# Altium PCB 电解水杯拼版6in1.PcbDoc (part 9 of 9)
Units mm, origin at the board's own origin, x right, y up, seen from the top; angles counter-clockwise.
Board outline 210 x 138 mm, 2 copper layers (Top Layer, Bottom Layer); 750 components, 0 nets, 2092 pads, 2070 vias.
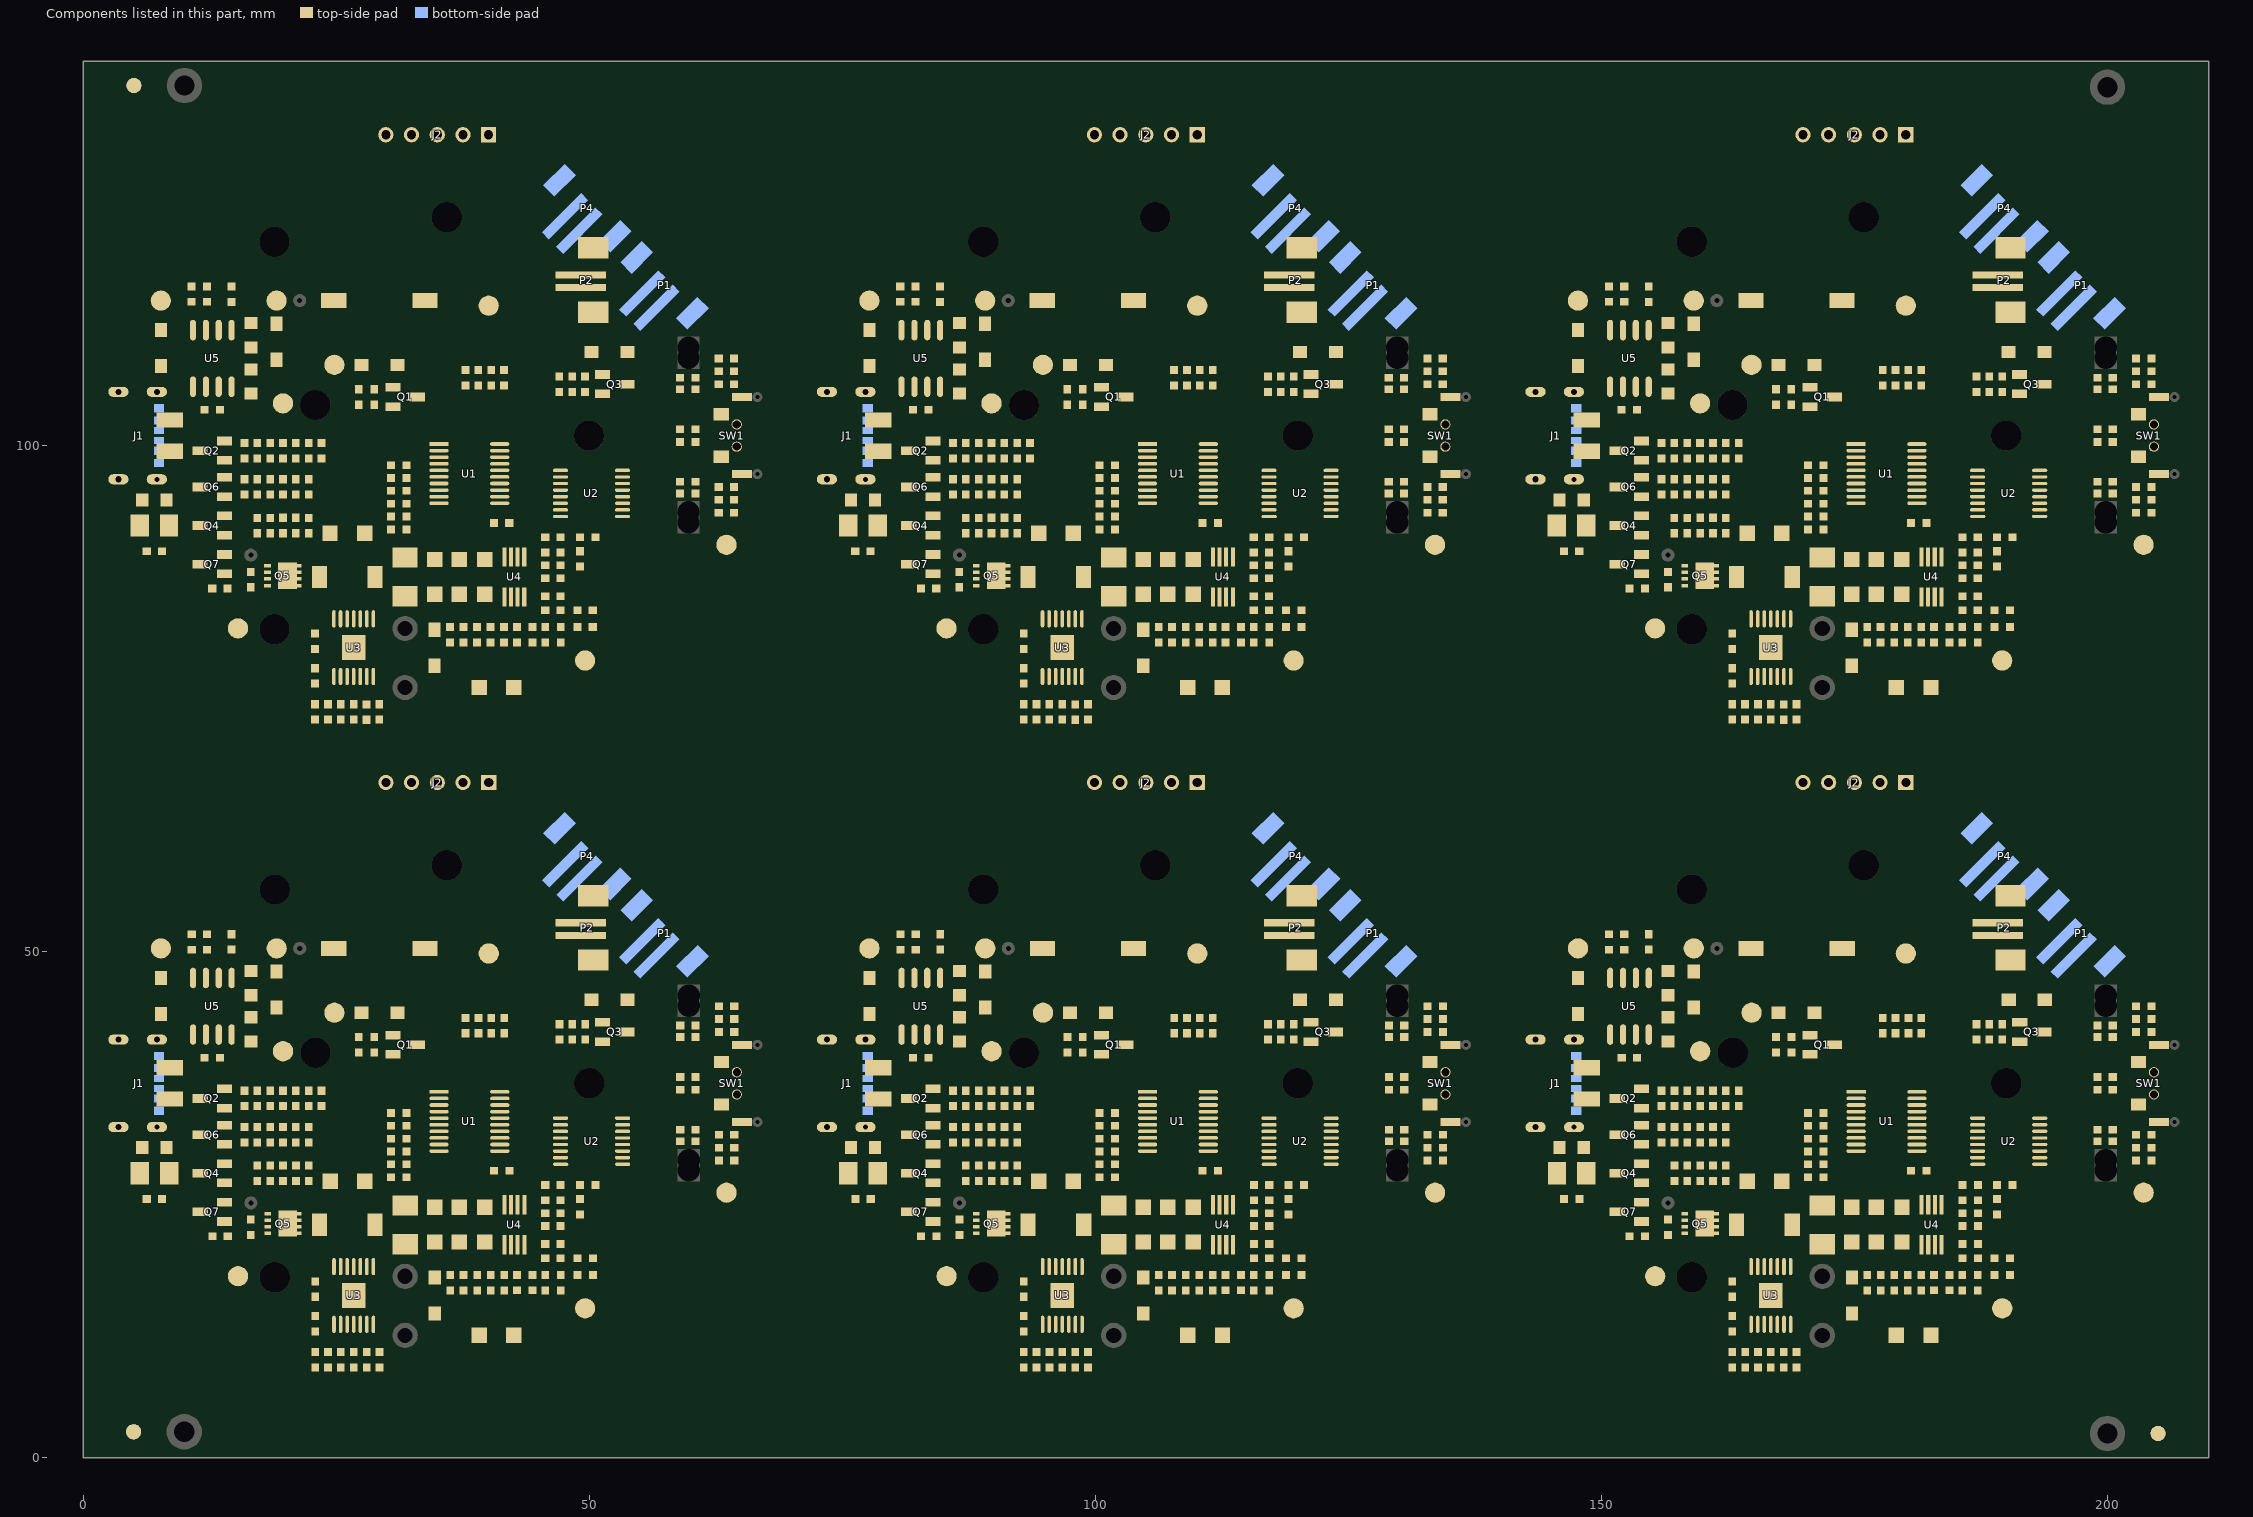
[diagram p9: the components of this part, seen from the top]

## Via types
v1: diameter 0.6, hole 0.3, Top Layer to Bottom Layer, 1968 vias
v2: diameter 0.8, hole 0.4, Top Layer to Bottom Layer, 102 vias

## Nets (pads, with @x,y where several pads share a name; then routed paths per layer and width w, separated by ;. In a path a pad name is that pad's centre, name@x,y a point inside that pad or via, vN(x,y) a via of type N, cw(c..) or ccw(c..) an arc to the next point about the centre after c; other vN are vias at no path point) (continued)
copper on no net: (continued)
  other v1: 31.442,6.012 32.458,6.012 33.474,6.012 34.49,6.012 35.506,6.012 36.522,6.012 37.538,6.012 101.442,6.012 102.458,6.012 103.474,6.012 104.49,6.012 105.506,6.012 106.522,6.012 107.538,6.012 171.442,6.012 172.458,6.012 173.474,6.012 174.49,6.012 175.506,6.012 176.522,6.012 177.538,6.012 30.68,8.552 31.696,8.552 32.966,8.552 34.236,8.552 100.68,8.552 101.696,8.552 102.966,8.552 104.236,8.552 170.68,8.552 171.696,8.552 172.966,8.552 174.236,8.552 39.57,9.06 40.586,9.06 41.602,9.06 42.618,9.06 109.57,9.06 110.586,9.06 111.602,9.06 112.618,9.06 179.57,9.06 180.586,9.06 181.602,9.06 182.618,9.06 39.57,10.076 40.586,10.076 41.602,10.076 42.618,10.076 109.57,10.076 110.586,10.076 111.602,10.076 112.618,10.076 179.57,10.076 180.586,10.076 181.602,10.076 182.618,10.076 19.758,10.584 89.758,10.584 159.758,10.584 18.742,11.092 88.742,11.092 158.742,11.092 17.726,11.6 19.758,11.6 87.726,11.6 89.758,11.6 157.726,11.6 159.758,11.6 16.71,12.108 18.742,12.108 45.666,12.108 46.682,12.108 47.698,12.108 48.714,12.108 52.777,12.109 53.793,12.109 86.71,12.108 88.742,12.108 115.666,12.108 116.682,12.108 117.698,12.108 118.714,12.108 122.777,12.109 123.793,12.109 156.71,12.108 158.742,12.108 185.666,12.108 186.682,12.108 187.698,12.108 188.714,12.108 192.777,12.109 193.793,12.109 15.694,12.616 17.726,12.616 19.758,12.616 85.694,12.616 87.726,12.616 89.758,12.616 155.694,12.616 157.726,12.616 159.758,12.616 16.71,13.124 18.742,13.124 45.666,13.124 46.682,13.124 47.698,13.124 52.777,13.125 53.793,13.125 54.809,13.125 86.71,13.124 88.742,13.124 115.666,13.124 116.682,13.124 117.698,13.124 122.777,13.125 123.793,13.125 124.809,13.125 156.71,13.124 158.742,13.124 185.666,13.124 186.682,13.124 187.698,13.124 192.777,13.125 193.793,13.125 194.809,13.125 17.726,13.632 19.758,13.632 87.726,13.632 89.758,13.632 157.726,13.632 159.758,13.632 18.742,14.14 45.666,14.14 46.682,14.14 52.777,14.141 53.793,14.141 54.809,14.141 55.825,14.141 88.742,14.14 115.666,14.14 116.682,14.14 122.777,14.141 123.793,14.141 124.809,14.141 125.825,14.141 158.742,14.14 185.666,14.14 186.682,14.14 192.777,14.141 193.793,14.141 194.809,14.141 195.825,14.141 36.268,14.394 106.268,14.394 176.268,14.394 19.758,14.648 30.426,14.648 31.442,14.648 89.758,14.648 100.426,14.648 101.442,14.648 159.758,14.648 170.426,14.648 171.442,14.648 24.838,14.902 25.854,14.902 26.87,14.902 27.886,14.902 28.902,14.902 94.838,14.902 95.854,14.902 96.87,14.902 97.886,14.902 98.902,14.902 164.838,14.902 165.854,14.902 166.87,14.902 167.886,14.902 168.902,14.902 52.777,15.157 53.793,15.157 54.809,15.157 122.777,15.157 123.793,15.157 124.809,15.157 192.777,15.157 193.793,15.157 194.809,15.157 36.268,15.41 38.935,15.41 106.268,15.41 108.935,15.41 176.268,15.41 178.935,15.41 30.426,15.664 31.442,15.664 100.426,15.664 101.442,15.664 170.426,15.664 171.442,15.664 25.854,15.918 26.87,15.918 27.886,15.918 28.902,15.918 95.854,15.918 96.87,15.918 97.886,15.918 98.902,15.918 165.854,15.918 166.87,15.918 167.886,15.918 168.902,15.918 52.777,16.173 53.793,16.173 122.777,16.173 123.793,16.173 192.777,16.173 193.793,16.173 24.838,16.934 25.854,16.934 26.87,16.934 27.886,16.934 28.902,16.934 94.838,16.934 95.854,16.934 96.87,16.934 97.886,16.934 98.902,16.934 164.838,16.934 165.854,16.934 166.87,16.934 167.886,16.934 168.902,16.934 50.238,21.125 120.238,21.125 190.238,21.125 8.582,21.76 78.582,21.76 148.582,21.76 50.238,22.395 120.238,22.395 190.238,22.395 7.566,22.776 8.582,22.776 77.566,22.776 78.582,22.776 147.566,22.776 148.582,22.776 36.86,23.284 37.919,23.284 38.977,23.284 40.035,23.284 41.094,23.284 106.86,23.284 107.919,23.284 108.977,23.284 110.035,23.284 111.094,23.284 176.86,23.284 177.919,23.284 178.977,23.284 180.035,23.284 181.094,23.284 50.238,23.665 120.238,23.665 190.238,23.665 6.55,23.792 7.566,23.792 8.582,23.792 76.55,23.792 77.566,23.792 78.582,23.792 146.55,23.792 147.566,23.792 148.582,23.792 18.49,25.193 19.379,25.193 20.268,25.193 21.028,25.189 88.49,25.193 89.379,25.193 90.268,25.193 91.028,25.189 158.49,25.193 159.379,25.193 160.268,25.193 161.028,25.189 11.884,25.697 81.884,25.697 151.884,25.697 11.884,26.713 81.884,26.713 151.884,26.713 35.508,26.844 36.524,26.844 37.538,26.84 38.554,26.84 39.57,26.84 40.586,26.84 41.602,26.84 42.618,26.84 105.508,26.844 106.524,26.844 107.538,26.84 108.554,26.84 109.57,26.84 110.586,26.84 111.602,26.84 112.618,26.84 175.508,26.844 176.524,26.844 177.538,26.84 178.554,26.84 179.57,26.84 180.586,26.84 181.602,26.84 182.618,26.84 36.524,27.86 37.54,27.86 106.524,27.86 107.54,27.86 176.524,27.86 177.54,27.86 55.32,28.368 56.336,28.368 57.352,28.368 125.32,28.368 126.336,28.368 127.352,28.368 195.32,28.368 196.336,28.368 197.352,28.368 28.902,28.618 98.902,28.618 168.902,28.618 36.524,28.876 37.54,28.876 49.222,28.872 50.238,28.872 51.254,28.872 106.524,28.876 107.54,28.876 119.222,28.872 120.238,28.872 121.254,28.872 176.524,28.876 177.54,28.876 189.222,28.872 190.238,28.872 191.254,28.872 65.985,29.127 135.985,29.127 205.985,29.127 28.902,29.634 98.902,29.634 168.902,29.634 37.54,29.892 49.222,29.888 50.238,29.888 51.254,29.888 107.54,29.892 119.222,29.888 120.238,29.888 121.254,29.888 177.54,29.892 189.222,29.888 190.238,29.888 191.254,29.888 65.985,30.143 135.985,30.143 205.985,30.143 10.233,30.396 80.233,30.396 150.233,30.396 28.902,30.65 98.902,30.65 168.902,30.65 49.222,30.904 50.238,30.904 51.254,30.904 119.222,30.904 120.238,30.904 121.254,30.904 189.222,30.904 190.238,30.904 191.254,30.904 65.985,31.159 135.985,31.159 205.985,31.159 49.222,31.92 50.238,31.92 51.254,31.92 119.222,31.92 120.238,31.92 121.254,31.92 189.222,31.92 190.238,31.92 191.254,31.92 28.902,32.809 98.902,32.809 168.902,32.809 10.233,33.444 11.249,33.444 12.265,33.444 80.233,33.444 81.249,33.444 82.265,33.444 150.233,33.444 151.249,33.444 152.265,33.444 15.948,33.698 21.028,33.698 23.568,33.698 85.948,33.698 91.028,33.698 93.568,33.698 155.948,33.698 161.028,33.698 163.568,33.698 28.902,34.079 98.902,34.079 168.902,34.079 66.239,35.985 136.239,35.985 206.239,35.985 66.239,37.001 136.239,37.001 206.239,37.001 53.54,37.762 123.54,37.762 193.54,37.762 66.239,38.017 136.239,38.017 206.239,38.017 46.936,38.778 52.524,38.778 53.54,38.778 116.936,38.778 122.524,38.778 123.54,38.778 186.936,38.778 192.524,38.778 193.54,38.778 31.95,39.413 33.093,39.413 34.363,39.413 101.95,39.413 103.093,39.413 104.363,39.413 171.95,39.413 173.093,39.413 174.363,39.413 46.936,39.794 47.952,39.794 51.508,39.794 52.524,39.794 53.54,39.794 116.936,39.794 117.952,39.794 121.508,39.794 122.524,39.794 123.54,39.794 186.936,39.794 187.952,39.794 191.508,39.794 192.524,39.794 193.54,39.794 34.744,40.81 104.744,40.81 174.744,40.81 65.731,42.589 135.731,42.589 205.731,42.589 17.855,43.227 19.125,43.227 87.855,43.227 89.125,43.227 157.855,43.227 159.125,43.227 65.731,43.605 135.731,43.605 205.731,43.605 21.03,44.116 22.046,44.116 55.826,44.112 56.842,44.112 91.03,44.116 92.046,44.116 125.826,44.112 126.842,44.112 161.03,44.116 162.046,44.116 195.826,44.112 196.842,44.112 17.855,44.243 87.855,44.243 157.855,44.243 65.731,44.621 135.731,44.621 205.731,44.621 21.03,45.132 22.046,45.132 23.062,45.132 55.826,45.128 56.842,45.128 91.03,45.132 92.046,45.132 93.062,45.132 125.826,45.128 126.842,45.128 161.03,45.132 162.046,45.132 163.062,45.132 195.826,45.128 196.842,45.128 17.855,45.259 87.855,45.259 157.855,45.259 29.41,45.636 30.426,45.636 31.442,45.636 34.49,45.636 38.046,45.636 39.062,45.636 40.078,45.636 99.41,45.636 100.426,45.636 101.442,45.636 104.49,45.636 108.046,45.636 109.062,45.636 110.078,45.636 169.41,45.636 170.426,45.636 171.442,45.636 174.49,45.636 178.046,45.636 179.062,45.636 180.078,45.636 21.03,46.148 22.046,46.148 23.062,46.148 24.078,46.148 55.826,46.144 56.842,46.144 91.03,46.148 92.046,46.148 93.062,46.148 94.078,46.148 125.826,46.144 126.842,46.144 161.03,46.148 162.046,46.148 163.062,46.148 164.078,46.148 195.826,46.144 196.842,46.144 17.855,46.275 18.871,46.275 19.887,46.275 87.855,46.275 88.871,46.275 89.887,46.275 157.855,46.275 158.871,46.275 159.887,46.275 29.41,46.652 30.426,46.652 31.442,46.652 34.49,46.652 38.046,46.652 39.062,46.652 40.078,46.652 46.684,46.656 47.7,46.656 48.716,46.656 99.41,46.652 100.426,46.652 101.442,46.652 104.49,46.652 108.046,46.652 109.062,46.652 110.078,46.652 116.684,46.656 117.7,46.656 118.716,46.656 169.41,46.652 170.426,46.652 171.442,46.652 174.49,46.652 178.046,46.652 179.062,46.652 180.078,46.652 186.684,46.656 187.7,46.656 188.716,46.656 21.03,47.164 22.046,47.164 23.062,47.164 24.078,47.164 25.094,47.164 91.03,47.164 92.046,47.164 93.062,47.164 94.078,47.164 95.094,47.164 161.03,47.164 162.046,47.164 163.062,47.164 164.078,47.164 165.094,47.164 29.41,47.668 30.426,47.668 31.442,47.668 34.49,47.668 38.046,47.668 39.062,47.668 40.078,47.668 41.094,47.668 46.684,47.672 47.7,47.672 99.41,47.668 100.426,47.668 101.442,47.668 104.49,47.668 108.046,47.668 109.062,47.668 110.078,47.668 111.094,47.668 116.684,47.672 117.7,47.672 169.41,47.668 170.426,47.668 171.442,47.668 174.49,47.668 178.046,47.668 179.062,47.668 180.078,47.668 181.094,47.668 186.684,47.672 187.7,47.672 21.03,48.18 22.046,48.18 23.062,48.18 24.078,48.18 25.094,48.18 91.03,48.18 92.046,48.18 93.062,48.18 94.078,48.18 95.094,48.18 161.03,48.18 162.046,48.18 163.062,48.18 164.078,48.18 165.094,48.18 16.204,50.72 52.78,50.72 86.204,50.72 122.78,50.72 156.204,50.72 192.78,50.72 16.204,51.736 52.78,51.736 53.796,51.736 86.204,51.736 122.78,51.736 123.796,51.736 156.204,51.736 192.78,51.736 193.796,51.736 27.378,52.24 28.394,52.24 29.41,52.24 30.426,52.24 31.442,52.24 32.458,52.24 33.474,52.24 34.49,52.24 97.378,52.24 98.394,52.24 99.41,52.24 100.426,52.24 101.442,52.24 102.458,52.24 103.474,52.24 104.49,52.24 167.378,52.24 168.394,52.24 169.41,52.24 170.426,52.24 171.442,52.24 172.458,52.24 173.474,52.24 174.49,52.24 11.632,55.292 12.648,55.292 13.664,55.292 14.68,55.292 15.696,55.292 23.314,55.288 24.33,55.288 25.346,55.288 26.362,55.288 27.378,55.288 28.394,55.288 29.41,55.288 30.426,55.288 31.442,55.288 32.458,55.288 81.632,55.292 82.648,55.292 83.664,55.292 84.68,55.292 85.696,55.292 93.314,55.288 94.33,55.288 95.346,55.288 96.362,55.288 97.378,55.288 98.394,55.288 99.41,55.288 100.426,55.288 101.442,55.288 102.458,55.288 151.632,55.292 152.648,55.292 153.664,55.292 154.68,55.292 155.696,55.292 163.314,55.288 164.33,55.288 165.346,55.288 166.362,55.288 167.378,55.288 168.394,55.288 169.41,55.288 170.426,55.288 171.442,55.288 172.458,55.288 12.648,56.308 13.664,56.308 14.68,56.308 15.696,56.308 23.314,56.304 24.33,56.304 25.346,56.304 26.362,56.304 27.378,56.304 28.394,56.304 29.41,56.304 30.426,56.304 31.442,56.304 32.458,56.304 82.648,56.308 83.664,56.308 84.68,56.308 85.696,56.308 93.314,56.304 94.33,56.304 95.346,56.304 96.362,56.304 97.378,56.304 98.394,56.304 99.41,56.304 100.426,56.304 101.442,56.304 102.458,56.304 152.648,56.308 153.664,56.308 154.68,56.308 155.696,56.308 163.314,56.304 164.33,56.304 165.346,56.304 166.362,56.304 167.378,56.304 168.394,56.304 169.41,56.304 170.426,56.304 171.442,56.304 172.458,56.304 42.618,56.812 112.618,56.812 182.618,56.812 13.664,57.324 14.68,57.324 15.696,57.324 83.664,57.324 84.68,57.324 85.696,57.324 153.664,57.324 154.68,57.324 155.696,57.324 42.618,57.828 43.634,57.828 112.618,57.828 113.634,57.828 182.618,57.828 183.634,57.828 42.618,58.844 43.634,58.844 44.65,58.844 112.618,58.844 113.634,58.844 114.65,58.844 182.618,58.844 183.634,58.844 184.65,58.844 42.618,59.86 43.634,59.86 44.65,59.86 45.666,59.86 112.618,59.86 113.634,59.86 114.65,59.86 115.666,59.86 182.618,59.86 183.634,59.86 184.65,59.86 185.666,59.86 31.436,70.012 32.452,70.012 33.468,70.012 34.484,70.012 35.5,70.012 36.516,70.012 37.532,70.012 101.436,70.012 102.452,70.012 103.468,70.012 104.484,70.012 105.5,70.012 106.516,70.012 107.532,70.012 171.436,70.012 172.452,70.012 173.468,70.012 174.484,70.012 175.5,70.012 176.516,70.012 177.532,70.012 30.674,72.552 31.69,72.552 32.96,72.552 34.23,72.552 100.674,72.552 101.69,72.552 102.96,72.552 104.23,72.552 170.674,72.552 171.69,72.552 172.96,72.552 174.23,72.552 39.564,73.06 40.58,73.06 41.596,73.06 42.612,73.06 109.564,73.06 110.58,73.06 111.596,73.06 112.612,73.06 179.564,73.06 180.58,73.06 181.596,73.06 182.612,73.06 39.564,74.076 40.58,74.076 41.596,74.076 42.612,74.076 109.564,74.076 110.58,74.076 111.596,74.076 112.612,74.076 179.564,74.076 180.58,74.076 181.596,74.076 182.612,74.076 19.752,74.584 89.752,74.584 159.752,74.584 18.736,75.092 88.736,75.092 158.736,75.092 17.72,75.6 19.752,75.6 87.72,75.6 89.752,75.6 157.72,75.6 159.752,75.6 16.704,76.108 18.736,76.108 45.66,76.108 46.676,76.108 47.692,76.108 48.708,76.108 52.772,76.109 53.788,76.109 86.704,76.108 88.736,76.108 115.66,76.108 116.676,76.108 117.692,76.108 118.708,76.108 122.772,76.109 123.788,76.109 156.704,76.108 158.736,76.108 185.66,76.108 186.676,76.108 187.692,76.108 188.708,76.108 192.772,76.109 193.788,76.109 15.688,76.616 17.72,76.616 19.752,76.616 85.688,76.616 87.72,76.616 89.752,76.616 155.688,76.616 157.72,76.616 159.752,76.616 16.704,77.124 18.736,77.124 45.66,77.124 46.676,77.124 47.692,77.124 52.772,77.125 53.788,77.125 54.804,77.125 86.704,77.124 88.736,77.124 115.66,77.124 116.676,77.124 117.692,77.124 122.772,77.125 123.788,77.125 124.804,77.125 156.704,77.124 158.736,77.124 185.66,77.124 186.676,77.124 187.692,77.124 192.772,77.125 193.788,77.125 194.804,77.125 17.72,77.632 19.752,77.632 87.72,77.632 89.752,77.632 157.72,77.632 159.752,77.632 18.736,78.14 45.66,78.14 46.676,78.14 52.772,78.141 53.788,78.141 54.804,78.141 55.82,78.141 88.736,78.14 115.66,78.14 116.676,78.14 122.772,78.141 123.788,78.141 124.804,78.141 125.82,78.141 158.736,78.14 185.66,78.14 186.676,78.14 192.772,78.141 193.788,78.141 194.804,78.141 195.82,78.141 36.262,78.394 106.262,78.394 176.262,78.394 19.752,78.648 30.42,78.648 31.436,78.648 89.752,78.648 100.42,78.648 101.436,78.648 159.752,78.648 170.42,78.648 171.436,78.648 24.832,78.902 25.848,78.902 26.864,78.902 27.88,78.902 28.896,78.902 94.832,78.902 95.848,78.902 96.864,78.902 97.88,78.902 98.896,78.902 164.832,78.902 165.848,78.902 166.864,78.902 167.88,78.902 168.896,78.902 52.772,79.157 53.788,79.157 54.804,79.157 122.772,79.157 123.788,79.157 124.804,79.157 192.772,79.157 193.788,79.157 194.804,79.157 36.262,79.41 38.929,79.41 106.262,79.41 108.929,79.41 176.262,79.41 178.929,79.41 30.42,79.664 31.436,79.664 100.42,79.664 101.436,79.664 170.42,79.664 171.436,79.664 25.848,79.918 26.864,79.918 27.88,79.918 28.896,79.918 95.848,79.918 96.864,79.918 97.88,79.918 98.896,79.918 165.848,79.918 166.864,79.918 167.88,79.918 168.896,79.918 52.772,80.173 53.788,80.173 122.772,80.173 123.788,80.173 192.772,80.173 193.788,80.173 24.832,80.934 25.848,80.934 26.864,80.934 27.88,80.934 28.896,80.934 94.832,80.934 95.848,80.934 96.864,80.934 97.88,80.934 98.896,80.934 164.832,80.934 165.848,80.934 166.864,80.934 167.88,80.934 168.896,80.934 50.232,85.125 120.232,85.125 190.232,85.125 8.576,85.76 78.576,85.76 148.576,85.76 50.232,86.395 120.232,86.395 190.232,86.395 7.56,86.776 8.576,86.776 77.56,86.776 78.576,86.776 147.56,86.776 148.576,86.776 36.855,87.284 37.913,87.284 38.971,87.284 40.03,87.284 41.088,87.284 106.855,87.284 107.913,87.284 108.971,87.284 110.03,87.284 111.088,87.284 176.855,87.284 177.913,87.284 178.971,87.284 180.03,87.284 181.088,87.284 50.232,87.665 120.232,87.665 190.232,87.665 6.544,87.792 7.56,87.792 8.576,87.792 76.544,87.792 77.56,87.792 78.576,87.792 146.544,87.792 147.56,87.792 148.576,87.792 21.022,89.189 91.022,89.189 161.022,89.189 18.485,89.193 19.374,89.193 20.263,89.193 88.485,89.193 89.374,89.193 90.263,89.193 158.485,89.193 159.374,89.193 160.263,89.193 11.878,89.697 81.878,89.697 151.878,89.697 11.878,90.713 81.878,90.713 151.878,90.713 37.532,90.84 38.548,90.84 39.564,90.84 40.58,90.84 41.596,90.84 42.612,90.84 107.532,90.84 108.548,90.84 109.564,90.84 110.58,90.84 111.596,90.84 112.612,90.84 177.532,90.84 178.548,90.84 179.564,90.84 180.58,90.84 181.596,90.84 182.612,90.84 35.503,90.844 36.519,90.844 105.503,90.844 106.519,90.844 175.503,90.844 176.519,90.844 36.519,91.86 37.535,91.86 106.519,91.86 107.535,91.86 176.519,91.86 177.535,91.86 55.315,92.368 56.331,92.368 57.347,92.368 125.315,92.368 126.331,92.368 127.347,92.368 195.315,92.368 196.331,92.368 197.347,92.368 28.896,92.618 98.896,92.618 168.896,92.618 49.216,92.872 50.232,92.872 51.248,92.872 119.216,92.872 120.232,92.872 121.248,92.872 189.216,92.872 190.232,92.872 191.248,92.872 36.519,92.876 37.535,92.876 106.519,92.876 107.535,92.876 176.519,92.876 177.535,92.876 65.98,93.127 135.98,93.127 205.98,93.127 28.896,93.634 98.896,93.634 168.896,93.634 49.216,93.888 50.232,93.888 51.248,93.888 119.216,93.888 120.232,93.888 121.248,93.888 189.216,93.888 190.232,93.888 191.248,93.888 37.535,93.892 107.535,93.892 177.535,93.892 65.98,94.143 135.98,94.143 205.98,94.143 10.227,94.396 80.227,94.396 150.227,94.396 28.896,94.65 98.896,94.65 168.896,94.65 49.216,94.904 50.232,94.904 51.248,94.904 119.216,94.904 120.232,94.904 121.248,94.904 189.216,94.904 190.232,94.904 191.248,94.904 65.98,95.159 135.98,95.159 205.98,95.159 49.216,95.92 50.232,95.92 51.248,95.92 119.216,95.92 120.232,95.92 121.248,95.92 189.216,95.92 190.232,95.92 191.248,95.92 28.896,96.809 98.896,96.809 168.896,96.809 10.227,97.444 11.243,97.444 12.259,97.444 80.227,97.444 81.243,97.444 82.259,97.444 150.227,97.444 151.243,97.444 152.259,97.444 15.942,97.698 21.022,97.698 23.562,97.698 85.942,97.698 91.022,97.698 93.562,97.698 155.942,97.698 161.022,97.698 163.562,97.698 28.896,98.079 98.896,98.079 168.896,98.079 66.234,99.985 136.234,99.985 206.234,99.985 66.234,101.001 136.234,101.001 206.234,101.001 53.534,101.762 123.534,101.762 193.534,101.762 66.234,102.017 136.234,102.017 206.234,102.017 46.93,102.778 52.518,102.778 53.534,102.778 116.93,102.778 122.518,102.778 123.534,102.778 186.93,102.778 192.518,102.778 193.534,102.778 31.944,103.413 33.087,103.413 34.357,103.413 101.944,103.413 103.087,103.413 104.357,103.413 171.944,103.413 173.087,103.413 174.357,103.413 46.93,103.794 47.946,103.794 51.502,103.794 52.518,103.794 53.534,103.794 116.93,103.794 117.946,103.794 121.502,103.794 122.518,103.794 123.534,103.794 186.93,103.794 187.946,103.794 191.502,103.794 192.518,103.794 193.534,103.794 34.738,104.81 104.738,104.81 174.738,104.81 65.726,106.589 135.726,106.589 205.726,106.589 17.85,107.227 19.12,107.227 87.85,107.227 89.12,107.227 157.85,107.227 159.12,107.227 65.726,107.605 135.726,107.605 205.726,107.605 55.82,108.112 56.836,108.112 125.82,108.112 126.836,108.112 195.82,108.112 196.836,108.112 21.025,108.116 22.041,108.116 91.025,108.116 92.041,108.116 161.025,108.116 162.041,108.116 17.85,108.243 87.85,108.243 157.85,108.243 65.726,108.621 135.726,108.621 205.726,108.621 55.82,109.128 56.836,109.128 125.82,109.128 126.836,109.128 195.82,109.128 196.836,109.128 21.025,109.132 22.041,109.132 23.057,109.132 91.025,109.132 92.041,109.132 93.057,109.132 161.025,109.132 162.041,109.132 163.057,109.132 17.85,109.259 87.85,109.259 157.85,109.259 29.404,109.636 30.42,109.636 31.436,109.636 34.484,109.636 38.04,109.636 39.056,109.636 40.072,109.636 99.404,109.636 100.42,109.636 101.436,109.636 104.484,109.636 108.04,109.636 109.056,109.636 110.072,109.636 169.404,109.636 170.42,109.636 171.436,109.636 174.484,109.636 178.04,109.636 179.056,109.636 180.072,109.636 55.82,110.144 56.836,110.144 125.82,110.144 126.836,110.144 195.82,110.144 196.836,110.144 21.025,110.148 22.041,110.148 23.057,110.148 24.073,110.148 91.025,110.148 92.041,110.148 93.057,110.148 94.073,110.148 161.025,110.148 162.041,110.148 163.057,110.148 164.073,110.148 17.85,110.275 18.866,110.275 19.882,110.275 87.85,110.275 88.866,110.275 89.882,110.275 157.85,110.275 158.866,110.275 159.882,110.275 29.404,110.652 30.42,110.652 31.436,110.652 34.484,110.652 38.04,110.652 39.056,110.652 40.072,110.652 99.404,110.652 100.42,110.652 101.436,110.652 104.484,110.652 108.04,110.652 109.056,110.652 110.072,110.652 169.404,110.652 170.42,110.652 171.436,110.652 174.484,110.652 178.04,110.652 179.056,110.652 180.072,110.652 46.679,110.656 47.695,110.656 48.711,110.656 116.679,110.656 117.695,110.656 118.711,110.656 186.679,110.656 187.695,110.656 188.711,110.656 21.025,111.164 22.041,111.164 23.057,111.164 24.073,111.164 25.089,111.164 91.025,111.164 92.041,111.164 93.057,111.164 94.073,111.164 95.089,111.164 161.025,111.164 162.041,111.164 163.057,111.164 164.073,111.164 165.089,111.164 29.404,111.668 30.42,111.668 31.436,111.668 34.484,111.668 38.04,111.668 39.056,111.668 40.072,111.668 41.088,111.668 99.404,111.668 100.42,111.668 101.436,111.668 104.484,111.668 108.04,111.668 109.056,111.668 110.072,111.668 111.088,111.668 169.404,111.668 170.42,111.668 171.436,111.668 174.484,111.668 178.04,111.668 179.056,111.668 180.072,111.668 181.088,111.668 46.679,111.672 47.695,111.672 116.679,111.672 117.695,111.672 186.679,111.672 187.695,111.672 21.025,112.18 22.041,112.18 23.057,112.18 24.073,112.18 25.089,112.18 91.025,112.18 92.041,112.18 93.057,112.18 94.073,112.18 95.089,112.18 161.025,112.18 162.041,112.18 163.057,112.18 164.073,112.18 165.089,112.18 16.199,114.72 52.775,114.72 86.199,114.72 122.775,114.72 156.199,114.72 192.775,114.72 16.199,115.736 52.775,115.736 53.791,115.736 86.199,115.736 122.775,115.736 123.791,115.736 156.199,115.736 192.775,115.736 193.791,115.736 27.372,116.24 28.388,116.24 29.404,116.24 30.42,116.24 31.436,116.24 32.452,116.24 33.468,116.24 34.484,116.24 97.372,116.24 98.388,116.24 99.404,116.24 100.42,116.24 101.436,116.24 102.452,116.24 103.468,116.24 104.484,116.24 167.372,116.24 168.388,116.24 169.404,116.24 170.42,116.24 171.436,116.24 172.452,116.24 173.468,116.24 174.484,116.24 23.308,119.288 24.324,119.288 25.34,119.288 26.356,119.288 27.372,119.288 28.388,119.288 29.404,119.288 30.42,119.288 31.436,119.288 32.452,119.288 93.308,119.288 94.324,119.288 95.34,119.288 96.356,119.288 97.372,119.288 98.388,119.288 99.404,119.288 100.42,119.288 101.436,119.288 102.452,119.288 163.308,119.288 164.324,119.288 165.34,119.288 166.356,119.288 167.372,119.288 168.388,119.288 169.404,119.288 170.42,119.288 171.436,119.288 172.452,119.288 11.627,119.292 12.643,119.292 13.659,119.292 14.675,119.292 15.691,119.292 81.627,119.292 82.643,119.292 83.659,119.292 84.675,119.292 85.691,119.292 151.627,119.292 152.643,119.292 153.659,119.292 154.675,119.292 155.691,119.292 23.308,120.304 24.324,120.304 25.34,120.304 26.356,120.304 27.372,120.304 28.388,120.304 29.404,120.304 30.42,120.304 31.436,120.304 32.452,120.304 93.308,120.304 94.324,120.304 95.34,120.304 96.356,120.304 97.372,120.304 98.388,120.304 99.404,120.304 100.42,120.304 101.436,120.304 102.452,120.304 163.308,120.304 164.324,120.304 165.34,120.304 166.356,120.304 167.372,120.304 168.388,120.304 169.404,120.304 170.42,120.304 171.436,120.304 172.452,120.304 12.643,120.308 13.659,120.308 14.675,120.308 15.691,120.308 82.643,120.308 83.659,120.308 84.675,120.308 85.691,120.308 152.643,120.308 153.659,120.308 154.675,120.308 155.691,120.308 42.612,120.812 112.612,120.812 182.612,120.812 13.659,121.324 14.675,121.324 15.691,121.324 83.659,121.324 84.675,121.324 85.691,121.324 153.659,121.324 154.675,121.324 155.691,121.324 42.612,121.828 43.628,121.828 112.612,121.828 113.628,121.828 182.612,121.828 183.628,121.828 42.612,122.844 43.628,122.844 44.644,122.844 112.612,122.844 113.628,122.844 114.644,122.844 182.612,122.844 183.628,122.844 184.644,122.844 42.612,123.86 43.628,123.86 44.644,123.86 45.66,123.86 112.612,123.86 113.628,123.86 114.644,123.86 115.66,123.86 182.612,123.86 183.628,123.86 184.644,123.86 185.66,123.86
  other v2: 15.188,38.5 85.188,38.5 155.188,38.5 16.458,38.528 86.458,38.528 156.458,38.528 9.6,41.449 79.6,41.449 149.6,41.449 9.6,42.719 79.6,42.719 149.6,42.719 9.6,43.989 10.868,43.985 12.138,43.985 13.408,43.985 14.678,43.985 79.6,43.989 80.868,43.985 82.138,43.985 83.408,43.985 84.678,43.985 149.6,43.989 150.868,43.985 152.138,43.985 153.408,43.985 154.678,43.985 9.6,45.259 10.868,45.255 12.138,45.255 13.408,45.255 14.678,45.255 79.6,45.259 80.868,45.255 82.138,45.255 83.408,45.255 84.678,45.255 149.6,45.259 150.868,45.255 152.138,45.255 153.408,45.255 154.678,45.255 15.183,102.5 85.183,102.5 155.183,102.5 16.453,102.528 86.453,102.528 156.453,102.528 9.595,105.449 79.595,105.449 149.595,105.449 9.595,106.719 79.595,106.719 149.595,106.719 10.862,107.985 12.132,107.985 13.402,107.985 14.672,107.985 80.862,107.985 82.132,107.985 83.402,107.985 84.672,107.985 150.862,107.985 152.132,107.985 153.402,107.985 154.672,107.985 9.595,107.989 79.595,107.989 149.595,107.989 10.862,109.255 12.132,109.255 13.402,109.255 14.672,109.255 80.862,109.255 82.132,109.255 83.402,109.255 84.672,109.255 150.862,109.255 152.132,109.255 153.402,109.255 154.672,109.255 9.595,109.259 79.595,109.259 149.595,109.259

## Polygon pours and split planes (outlines as drawn)
no net on Top Layer "Top Layer-No Net" (solid, remove dead copper, pour order 4): 162.298,26.586 162.298,24.173 158.274,24.173 158.233,24.132 158.274,24.173 159.123,24.173 159.123,22.395 155.313,22.395 155.313,24.046 155.313,26.586
no net on Top Layer "Top Layer-No Net" (solid, remove dead copper, pour order 9): 141.853,69.008 208.147,69.008 208.147,5 141.853,5
no net on Top Layer "Top Layer-No Net" (solid, remove dead copper, pour order 4): 92.298,26.586 92.298,24.173 88.274,24.173 88.233,24.132 88.274,24.173 89.123,24.173 89.123,22.395 85.313,22.395 85.313,24.046 85.313,26.586
no net on Top Layer "Top Layer-No Net" (solid, remove dead copper, pour order 9): 71.853,69.008 138.147,69.008 138.147,5 71.853,5
no net on Top Layer "Top Layer-No Net" (solid, remove dead copper, pour order 4): 22.298,26.586 22.298,24.173 18.274,24.173 18.233,24.132 18.274,24.173 19.123,24.173 19.123,22.395 15.313,22.395 15.313,24.046 15.313,26.586
no net on Top Layer "Top Layer-No Net" (solid, remove dead copper, pour order 9): 1.853,69.008 68.147,69.008 68.147,5 1.853,5
no net on Top Layer "Top Layer-No Net" (solid, remove dead copper, pour order 4): 162.292,90.586 162.292,88.173 158.268,88.173 158.227,88.132 158.268,88.173 159.117,88.173 159.117,86.395 155.307,86.395 155.307,88.046 155.307,90.586
no net on Top Layer "Top Layer-No Net" (solid, remove dead copper, pour order 9): 141.848,133.008 208.142,133.008 208.142,69 141.848,69
no net on Top Layer "Top Layer-No Net" (solid, remove dead copper, pour order 4): 92.292,90.586 92.292,88.173 88.268,88.173 88.227,88.132 88.268,88.173 89.117,88.173 89.117,86.395 85.307,86.395 85.307,88.046 85.307,90.586
no net on Top Layer "Top Layer-No Net" (solid, remove dead copper, pour order 9): 71.848,133.008 138.142,133.008 138.142,69 71.848,69
no net on Top Layer "Top Layer-No Net" (solid, remove dead copper, pour order 4): 22.292,90.586 22.292,88.173 18.268,88.173 18.227,88.132 18.268,88.173 19.117,88.173 19.117,86.395 15.307,86.395 15.307,88.046 15.307,90.586
no net on Top Layer "Top Layer-No Net" (solid, remove dead copper, pour order 9): 1.848,133.008 68.142,133.008 68.142,69 1.848,69
no net on Bottom Layer "Top Layer-No Net" (solid, remove dead copper, pour order 11): 141.853,5 208.147,5 208.147,69.135 208.02,69.008 141.853,69.008
no net on Bottom Layer "Top Layer-No Net" (solid, remove dead copper, pour order 11): 71.853,5 138.147,5 138.147,69.135 138.02,69.008 71.853,69.008
no net on Bottom Layer "Top Layer-No Net" (solid, remove dead copper, pour order 11): 1.853,5 68.147,5 68.147,69.135 68.02,69.008 1.853,69.008
no net on Bottom Layer "Top Layer-No Net" (solid, remove dead copper, pour order 11): 141.848,69 208.142,69 208.142,133.135 208.015,133.008 141.848,133.008
no net on Bottom Layer "Top Layer-No Net" (solid, remove dead copper, pour order 11): 71.848,69 138.142,69 138.142,133.135 138.015,133.008 71.848,133.008
no net on Bottom Layer "Top Layer-No Net" (solid, remove dead copper, pour order 11): 1.848,69 68.142,69 68.142,133.135 68.015,133.008 1.848,133.008

## Keep-outs
Keep-Out Layer:
  lines w0.2: 0,123.11 5,123.11 14.878,132.988 ; 0.025,14.89 5.025,14.89 14.903,5.012 55.147,5.012 ; 14.878,133 43.482,133 26.512,133 55.134,133 ; 17.51,133 26.67,133 ; 55.122,132.988 65,123.11 75,123.11 84.878,132.988 ; 55.135,5 65.025,14.89 ; 64.902,14.895 74.902,14.895 84.78,5.017 125.024,5.017 134.902,14.895 144.902,14.895 ; 84.878,133 113.482,133 96.512,133 125.134,133 ; 96.518,5 113.487,5 ; 125.122,132.988 135,123.11 145,123.11 154.89,133 183.482,133 166.512,133 195.134,133 ; 145.025,14.89 154.903,5.012 ; 154.891,5 183.513,5 ; 166.518,5 183.487,5 ; 166.544,5 195.147,5 ; 195.122,132.988 205,123.11 210,123.11 ; 195.147,5.012 205.025,14.89 210.025,14.89 ; 26.51,69 43.479,69 ; 26.51,69 43.479,69 ; 26.51,69 43.479,69 ; 26.51,69 43.479,69 ; 53.347,82.655 cw(c55.928,86.341) 58.51,90.027 ; 53.347,82.655 cw(c55.928,86.341) 58.51,90.027 ; 53.347,82.655 59.249,78.522 53.347,82.655 ; 53.353,18.655 cw(c55.934,22.341) 58.515,26.027 ; 53.353,18.655 cw(c55.934,22.341) 58.515,26.027 ; 53.353,18.655 59.255,14.522 53.353,18.655 ; 58.51,90.027 64.435,85.878 58.51,90.027 ; 58.515,26.027 64.441,21.878 58.515,26.027 ; 58.723,91.306 58.723,94.506 ; 58.723,91.306 60.923,91.306 ; 58.723,91.306 58.723,94.506 ; 58.723,91.306 60.923,91.306 ; 58.723,94.506 60.923,94.506 ; 58.723,94.506 60.923,94.506 ; 58.723,107.506 60.923,107.506 ; 58.723,107.506 58.723,110.706 ; 58.723,107.506 60.923,107.506 ; 58.723,107.506 58.723,110.706 ; 58.723,110.706 60.923,110.706 ; 58.723,110.706 60.923,110.706 ; 58.729,27.306 58.729,30.506 ; 58.729,27.306 60.929,27.306 ; 58.729,27.306 58.729,30.506 ; 58.729,27.306 60.929,27.306 ; 58.729,30.506 60.929,30.506 ; 58.729,30.506 60.929,30.506 ; 58.729,43.506 60.929,43.506 ; 58.729,43.506 58.729,46.706 ; 58.729,43.506 60.929,43.506 ; 58.729,43.506 58.729,46.706 ; 58.729,46.706 60.929,46.706 ; 58.729,46.706 60.929,46.706 ; 60.923,91.306 60.923,94.506 ; 60.923,91.306 60.923,94.506 ; 60.923,107.506 60.923,110.706 ; 60.923,107.506 60.923,110.706 ; 60.929,27.306 60.929,30.506 ; 60.929,27.306 60.929,30.506 ; 60.929,43.506 60.929,46.706 ; 60.929,43.506 60.929,46.706 ; 96.51,69 113.479,69 ; 96.51,69 113.479,69 ; 96.51,69 113.479,69 ; 96.51,69 113.479,69 ; 123.347,82.655 cw(c125.928,86.341) 128.51,90.027 ; 123.347,82.655 cw(c125.928,86.341) 128.51,90.027 ; 123.347,82.655 129.249,78.522 123.347,82.655 ; 123.353,18.655 cw(c125.934,22.341) 128.515,26.027 ; 123.353,18.655 cw(c125.934,22.341) 128.515,26.027 ; 123.353,18.655 129.255,14.522 123.353,18.655 ; 128.51,90.027 134.435,85.878 128.51,90.027 ; 128.515,26.027 134.441,21.878 128.515,26.027 ; 128.723,91.306 128.723,94.506 ; 128.723,91.306 130.923,91.306 ; 128.723,91.306 128.723,94.506 ; 128.723,91.306 130.923,91.306 ; 128.723,94.506 130.923,94.506 ; 128.723,94.506 130.923,94.506 ; 128.723,107.506 130.923,107.506 ; 128.723,107.506 128.723,110.706 ; 128.723,107.506 130.923,107.506 ; 128.723,107.506 128.723,110.706 ; 128.723,110.706 130.923,110.706 ; 128.723,110.706 130.923,110.706 ; 128.729,27.306 128.729,30.506 ; 128.729,27.306 130.929,27.306 ; 128.729,27.306 128.729,30.506 ; 128.729,27.306 130.929,27.306 ; 128.729,30.506 130.929,30.506 ; 128.729,30.506 130.929,30.506 ; 128.729,43.506 130.929,43.506 ; 128.729,43.506 128.729,46.706 ; 128.729,43.506 130.929,43.506 ; 128.729,43.506 128.729,46.706 ; 128.729,46.706 130.929,46.706 ; 128.729,46.706 130.929,46.706 ; 130.923,91.306 130.923,94.506 ; 130.923,91.306 130.923,94.506 ; 130.923,107.506 130.923,110.706 ; 130.923,107.506 130.923,110.706 ; 130.929,27.306 130.929,30.506 ; 130.929,27.306 130.929,30.506 ; 130.929,43.506 130.929,46.706 ; 130.929,43.506 130.929,46.706 ; 166.51,69 183.479,69 ; 166.51,69 183.479,69 ; 166.51,69 183.479,69 ; 166.51,69 183.479,69 ; 193.347,82.655 cw(c195.928,86.341) 198.51,90.027 ; 193.347,82.655 cw(c195.928,86.341) 198.51,90.027 ; 193.347,82.655 199.249,78.522 193.347,82.655 ; 193.353,18.655 cw(c195.934,22.341) 198.515,26.027 ; 193.353,18.655 cw(c195.934,22.341) 198.515,26.027 ; 193.353,18.655 199.255,14.522 193.353,18.655 ; 198.51,90.027 204.435,85.878 198.51,90.027 ; 198.515,26.027 204.441,21.878 198.515,26.027 ; 198.723,91.306 198.723,94.506 ; 198.723,91.306 200.923,91.306 ; 198.723,91.306 198.723,94.506 ; 198.723,91.306 200.923,91.306 ; 198.723,94.506 200.923,94.506 ; 198.723,94.506 200.923,94.506 ; 198.723,107.506 200.923,107.506 ; 198.723,107.506 198.723,110.706 ; 198.723,107.506 200.923,107.506 ; 198.723,107.506 198.723,110.706 ; 198.723,110.706 200.923,110.706 ; 198.723,110.706 200.923,110.706 ; 198.729,27.306 198.729,30.506 ; 198.729,27.306 200.929,27.306 ; 198.729,27.306 198.729,30.506 ; 198.729,27.306 200.929,27.306 ; 198.729,30.506 200.929,30.506 ; 198.729,30.506 200.929,30.506 ; 198.729,43.506 200.929,43.506 ; 198.729,43.506 198.729,46.706 ; 198.729,43.506 200.929,43.506 ; 198.729,43.506 198.729,46.706 ; 198.729,46.706 200.929,46.706 ; 198.729,46.706 200.929,46.706 ; 200.923,91.306 200.923,94.506 ; 200.923,91.306 200.923,94.506 ; 200.923,107.506 200.923,110.706 ; 200.923,107.506 200.923,110.706 ; 200.929,27.306 200.929,30.506 ; 200.929,27.306 200.929,30.506 ; 200.929,43.506 200.929,46.706 ; 200.929,43.506 200.929,46.706 ; 0,0 0,138 210,138 210,0 0,0 ; 26.504,132.994 ccw(c34.992,101) 26.51,69.005 cw(c34.992,101) 26.504,132.994 ; 26.504,133 43.474,133 26.504,133 ; 26.51,68.994 ccw(c34.997,37) 26.515,5.005 cw(c34.997,37) 26.51,68.994 ; 26.515,5 43.485,5 26.515,5 ; 43.474,132.995 cw(c34.992,101) 64.469,85.944 ccw(c34.992,101) 43.474,132.995 ; 43.477,69.006 ccw(c34.992,101) 59.269,78.5 cw(c34.992,101) 43.477,69.006 ; 43.479,68.995 cw(c34.997,37) 64.475,21.944 ccw(c34.997,37) 43.479,68.995 ; 43.483,5.006 ccw(c34.997,37) 59.274,14.5 cw(c34.997,37) 43.483,5.006 ; 96.504,132.994 ccw(c104.992,101) 96.51,69.005 cw(c104.992,101) 96.504,132.994 ; 96.504,133 113.474,133 96.504,133 ; 96.51,68.994 ccw(c104.997,37) 96.515,5.005 cw(c104.997,37) 96.51,68.994 ; 96.515,5 113.485,5 96.515,5 ; 113.474,132.995 cw(c104.992,101) 134.469,85.944 ccw(c104.992,101) 113.474,132.995 ; 113.477,69.006 ccw(c104.992,101) 129.269,78.5 cw(c104.992,101) 113.477,69.006 ; 113.479,68.995 cw(c104.997,37) 134.475,21.944 ccw(c104.997,37) 113.479,68.995 ; 113.483,5.006 ccw(c104.997,37) 129.274,14.5 cw(c104.997,37) 113.483,5.006 ; 166.504,132.994 ccw(c174.992,101) 166.51,69.005 cw(c174.992,101) 166.504,132.994 ; 166.504,133 183.474,133 166.504,133 ; 166.51,68.994 ccw(c174.997,37) 166.515,5.005 cw(c174.997,37) 166.51,68.994 ; 166.515,5 183.485,5 166.515,5 ; 183.474,132.995 cw(c174.992,101) 204.469,85.944 ccw(c174.992,101) 183.474,132.995 ; 183.477,69.006 ccw(c174.992,101) 199.269,78.5 cw(c174.992,101) 183.477,69.006 ; 183.479,68.995 cw(c174.997,37) 204.475,21.944 ccw(c174.997,37) 183.479,68.995 ; 183.483,5.006 ccw(c174.997,37) 199.274,14.5 cw(c174.997,37) 183.483,5.006

## Other copper
Top Layer:
  rectangle: 166.616,32.428 169.664,34.46
  rectangle: 166.489,27.729 169.283,31.285
  rectangle: 165.727,26.205 176.649,27.094
  rectangle: 159.758,20.871 167.632,22.522
  rectangle: 155.962,24.808 162.044,25.812
  rectangle: 159.25,21.76 163.568,24.554
  rectangle: 169.028,24.047 171.695,25.571
  rectangle: 164.076,14.394 168.648,17.442
  rectangle: 167.885,19.982 169.918,25.571
  rectangle: 162.552,21.76 167.632,25.57
  rectangle: 152.969,32.936 155.186,33.628
  rectangle: 159.504,33.317 166.616,34.079
  rectangle: 169.918,39.032 175.379,39.794
  rectangle: 154.299,38.147 157.347,42.465
  rectangle: 154.553,47.545 159.633,49.196
  rectangle: 155.497,42.973 160.776,47.002
  rectangle: 96.616,32.428 99.664,34.46
  rectangle: 96.489,27.729 99.283,31.285
  rectangle: 95.727,26.205 106.649,27.094
  rectangle: 89.758,20.871 97.632,22.522
  rectangle: 85.962,24.808 92.044,25.812
  rectangle: 89.25,21.76 93.568,24.554
  rectangle: 99.028,24.047 101.695,25.571
  rectangle: 94.076,14.394 98.648,17.442
  rectangle: 97.885,19.982 99.918,25.571
  rectangle: 92.552,21.76 97.632,25.57
  rectangle: 82.969,32.936 85.186,33.628
  rectangle: 89.504,33.317 96.616,34.079
  rectangle: 99.918,39.032 105.379,39.794
  rectangle: 84.299,38.147 87.347,42.465
  rectangle: 84.553,47.545 89.633,49.196
  rectangle: 85.497,42.973 90.776,47.002
  rectangle: 26.616,32.428 29.664,34.46
  rectangle: 26.489,27.729 29.283,31.285
  rectangle: 25.727,26.205 36.649,27.094
  rectangle: 19.758,20.871 27.632,22.522
  rectangle: 15.962,24.808 22.044,25.812
  rectangle: 19.25,21.76 23.568,24.554
  rectangle: 29.028,24.047 31.695,25.571
  rectangle: 24.076,14.394 28.648,17.442
  rectangle: 27.885,19.982 29.918,25.571
  rectangle: 22.552,21.76 27.632,25.57
  rectangle: 12.969,32.936 15.186,33.628
  rectangle: 19.504,33.317 26.616,34.079
  rectangle: 29.918,39.032 35.379,39.794
  rectangle: 14.299,38.147 17.347,42.465
  rectangle: 14.553,47.545 19.633,49.196
  rectangle: 15.497,42.973 20.776,47.002
  rectangle: 166.61,96.428 169.658,98.46
  rectangle: 166.483,91.729 169.277,95.285
  rectangle: 165.721,90.205 176.643,91.094
  rectangle: 159.752,84.871 167.626,86.522
  rectangle: 155.956,88.808 162.038,89.812
  rectangle: 159.244,85.76 163.562,88.554
  rectangle: 169.023,88.047 171.69,89.571
  rectangle: 164.07,78.394 168.642,81.442
  rectangle: 167.88,83.982 169.912,89.571
  rectangle: 162.546,85.76 167.626,89.57
  rectangle: 152.963,96.936 155.18,97.628
  rectangle: 159.498,97.317 166.61,98.079
  rectangle: 169.912,103.032 175.373,103.794
  rectangle: 154.294,102.147 157.342,106.465
  rectangle: 154.548,111.545 159.628,113.196
  rectangle: 155.492,106.973 160.771,111.002
  rectangle: 96.61,96.428 99.658,98.46
  rectangle: 96.483,91.729 99.277,95.285
  rectangle: 95.721,90.205 106.643,91.094
  rectangle: 89.752,84.871 97.626,86.522
  rectangle: 85.956,88.808 92.038,89.812
  rectangle: 89.244,85.76 93.562,88.554
  rectangle: 99.023,88.047 101.69,89.571
  rectangle: 94.07,78.394 98.642,81.442
  rectangle: 97.88,83.982 99.912,89.571
  rectangle: 92.546,85.76 97.626,89.57
  rectangle: 82.963,96.936 85.18,97.628
  rectangle: 89.498,97.317 96.61,98.079
  rectangle: 99.912,103.032 105.373,103.794
  rectangle: 84.294,102.147 87.342,106.465
  rectangle: 84.548,111.545 89.628,113.196
  rectangle: 85.492,106.973 90.771,111.002
  rectangle: 26.61,96.428 29.658,98.46
  rectangle: 26.483,91.729 29.277,95.285
  rectangle: 25.721,90.205 36.643,91.094
  rectangle: 19.752,84.871 27.626,86.522
  rectangle: 15.956,88.808 22.038,89.812
  rectangle: 19.244,85.76 23.562,88.554
  rectangle: 29.023,88.047 31.69,89.571
  rectangle: 24.07,78.394 28.642,81.442
  rectangle: 27.88,83.982 29.912,89.571
  rectangle: 22.546,85.76 27.626,89.57
  rectangle: 12.963,96.936 15.18,97.628
  rectangle: 19.498,97.317 26.61,98.079
  rectangle: 29.912,103.032 35.373,103.794
  rectangle: 14.294,102.147 17.342,106.465
  rectangle: 14.548,111.545 19.628,113.196
  rectangle: 15.492,106.973 20.771,111.002

## Silkscreen, mask and mechanical layers (free items; w line width, h text height)
Top Overlay:
  drawing of 294 lines, arcs and shapes, not listed
  text "G" at 29.277,127.924 h2
  text "R" at 32.071,127.924 h2
  text "C" at 34.484,127.924 h2
  text "D" at 37.024,127.924 h2
  text "V" at 39.564,127.924 h2
  text "G" at 99.277,127.924 h2
  text "R" at 102.071,127.924 h2
  text "C" at 104.484,127.924 h2
  text "D" at 107.024,127.924 h2
  text "V" at 109.564,127.924 h2
  text "G" at 169.277,127.924 h2
  text "R" at 172.071,127.924 h2
  text "C" at 174.484,127.924 h2
  text "D" at 177.024,127.924 h2
  text "V" at 179.564,127.924 h2
  text "R" at 61.408,106.589 h1.3
  text "R" at 131.408,106.589 h1.3
  text "R" at 201.408,106.589 h1.3
  text "G" at 61.281,105.318 h1.3
  text "G" at 131.281,105.318 h1.3
  text "G" at 201.281,105.318 h1.3
  text "R" at 61.408,101.255 h1.3
  text "R" at 131.408,101.255 h1.3
  text "R" at 201.408,101.255 h1.3
  text "G" at 61.281,99.984 h1.3
  text "G" at 131.281,99.984 h1.3
  text "G" at 201.281,99.984 h1.3
  text "R" at 61.408,96.174 h1.3
  text "R" at 131.408,96.174 h1.3
  text "R" at 201.408,96.174 h1.3
  text "G" at 61.408,94.904 h1.3
  text "G" at 131.408,94.904 h1.3
  text "G" at 201.408,94.904 h1.3
  text "G" at 29.283,63.924 h2
  text "R" at 32.077,63.924 h2
  text "C" at 34.49,63.924 h2
  text "D" at 37.03,63.924 h2
  text "V" at 39.57,63.924 h2
  text "G" at 99.283,63.924 h2
  text "R" at 102.077,63.924 h2
  text "C" at 104.49,63.924 h2
  text "D" at 107.03,63.924 h2
  text "V" at 109.57,63.924 h2
  text "G" at 169.283,63.924 h2
  text "R" at 172.077,63.924 h2
  text "C" at 174.49,63.924 h2
  text "D" at 177.03,63.924 h2
  text "V" at 179.57,63.924 h2
  text "R" at 61.413,42.589 h1.3
  text "R" at 131.413,42.589 h1.3
  text "R" at 201.413,42.589 h1.3
  text "G" at 61.287,41.318 h1.3
  text "G" at 131.287,41.318 h1.3
  text "G" at 201.287,41.318 h1.3
  text "R" at 61.413,37.255 h1.3
  text "R" at 131.413,37.255 h1.3
  text "R" at 201.413,37.255 h1.3
  text "G" at 61.287,35.984 h1.3
  text "G" at 131.287,35.984 h1.3
  text "G" at 201.287,35.984 h1.3
  text "R" at 61.414,32.174 h1.3
  text "R" at 131.414,32.174 h1.3
  text "R" at 201.414,32.174 h1.3
  text "G" at 61.414,30.904 h1.3
  text "G" at 131.414,30.904 h1.3
  text "G" at 201.414,30.904 h1.3
  text "DJSB-V1.1-2019-09-25" at 90.17,1.19 h3
Bottom Overlay:
  drawing of 168 lines, arcs and shapes, not listed
  text "电池" at 54.423,124.368 h2 r315
  text "电池" at 124.423,124.368 h2 r315
  text "电池" at 194.423,124.368 h2 r315
  text "+" at 43.374,119.542 h3 r315
  text "+" at 113.374,119.542 h3 r315
  text "+" at 183.374,119.542 h3 r315
  text "-" at 44.898,118.018 h4 r315
  text "-" at 114.898,118.018 h4 r315
  text "-" at 184.898,118.018 h4 r315
  text "水阀" at 61.408,117.256 h2 r315
  text "水阀" at 131.408,117.256 h2 r315
  text "水阀" at 201.408,117.256 h2 r315
  text "V+" at 32.96,83.728 h2
  text "V+" at 102.96,83.728 h2
  text "V+" at 172.96,83.728 h2
  text "V-" at 32.452,73.06 h2
  text "V-" at 102.452,73.06 h2
  text "V-" at 172.452,73.06 h2
  text "电池" at 54.429,60.368 h2 r315
  text "电池" at 124.429,60.368 h2 r315
  text "电池" at 194.429,60.368 h2 r315
  text "+" at 43.38,55.542 h3 r315
  text "+" at 113.38,55.542 h3 r315
  text "+" at 183.38,55.542 h3 r315
  text "-" at 44.904,54.018 h4 r315
  text "-" at 114.904,54.018 h4 r315
  text "-" at 184.904,54.018 h4 r315
  text "水阀" at 61.414,53.256 h2 r315
  text "水阀" at 131.414,53.256 h2 r315
  text "水阀" at 201.414,53.256 h2 r315
  text "V+" at 32.966,19.728 h2
  text "V+" at 102.966,19.728 h2
  text "V+" at 172.966,19.728 h2
  text "V-" at 32.458,9.06 h2
  text "V-" at 102.458,9.06 h2
  text "V-" at 172.458,9.06 h2
Top Solder:
  rectangle: 150.868,43.477 154.678,45.763
  rectangle: 80.868,43.477 84.678,45.763
  rectangle: 10.868,43.477 14.678,45.763
  rectangle: 150.862,107.477 154.672,109.763
  rectangle: 80.862,107.477 84.672,109.763
  rectangle: 10.862,107.477 14.672,109.763
Bottom Solder:
  rectangle: 149.092,41.449 160.014,52.244
  rectangle: 79.092,41.449 90.014,52.244
  rectangle: 9.092,41.449 20.014,52.244
  rectangle: 149.087,105.449 160.009,116.244
  rectangle: 79.087,105.449 90.009,116.244
  rectangle: 9.087,105.449 20.009,116.244
Mechanical 15:
  lines w0.2: 1.895,69 1.895,133 ; 1.895,69 68.095,69 ; 1.895,69 1.895,133 ; 1.895,69 68.095,69 ; 1.895,133 68.095,133 ; 1.895,133 68.095,133 ; 1.9,5 1.9,69 ; 1.9,5 68.1,5 ; 1.9,5 1.9,69 ; 1.9,5 68.1,5 ; 1.9,69 68.1,69 ; 1.9,69 68.1,69 ; 68.095,69 68.095,133 ; 68.095,69 68.095,133 ; 68.1,5 68.1,69 ; 68.1,5 68.1,69 ; 71.895,69 71.895,133 ; 71.895,69 138.095,69 ; 71.895,69 71.895,133 ; 71.895,69 138.095,69 ; 71.895,133 138.095,133 ; 71.895,133 138.095,133 ; 71.9,5 71.9,69 ; 71.9,5 138.1,5 ; 71.9,5 71.9,69 ; 71.9,5 138.1,5 ; 71.9,69 138.1,69 ; 71.9,69 138.1,69 ; 138.095,69 138.095,133 ; 138.095,69 138.095,133 ; 138.1,5 138.1,69 ; 138.1,5 138.1,69 ; 141.895,69 141.895,133 ; 141.895,69 208.095,69 ; 141.895,69 141.895,133 ; 141.895,69 208.095,69 ; 141.895,133 208.095,133 ; 141.895,133 208.095,133 ; 141.9,5 141.9,69 ; 141.9,5 208.1,5 ; 141.9,5 141.9,69 ; 141.9,5 208.1,5 ; 141.9,69 208.1,69 ; 141.9,69 208.1,69 ; 208.095,69 208.095,133 ; 208.095,69 208.095,133 ; 208.1,5 208.1,69 ; 208.1,5 208.1,69